# Altium PCB MiniPC.PcbDoc (part 7 of 23) (continued)
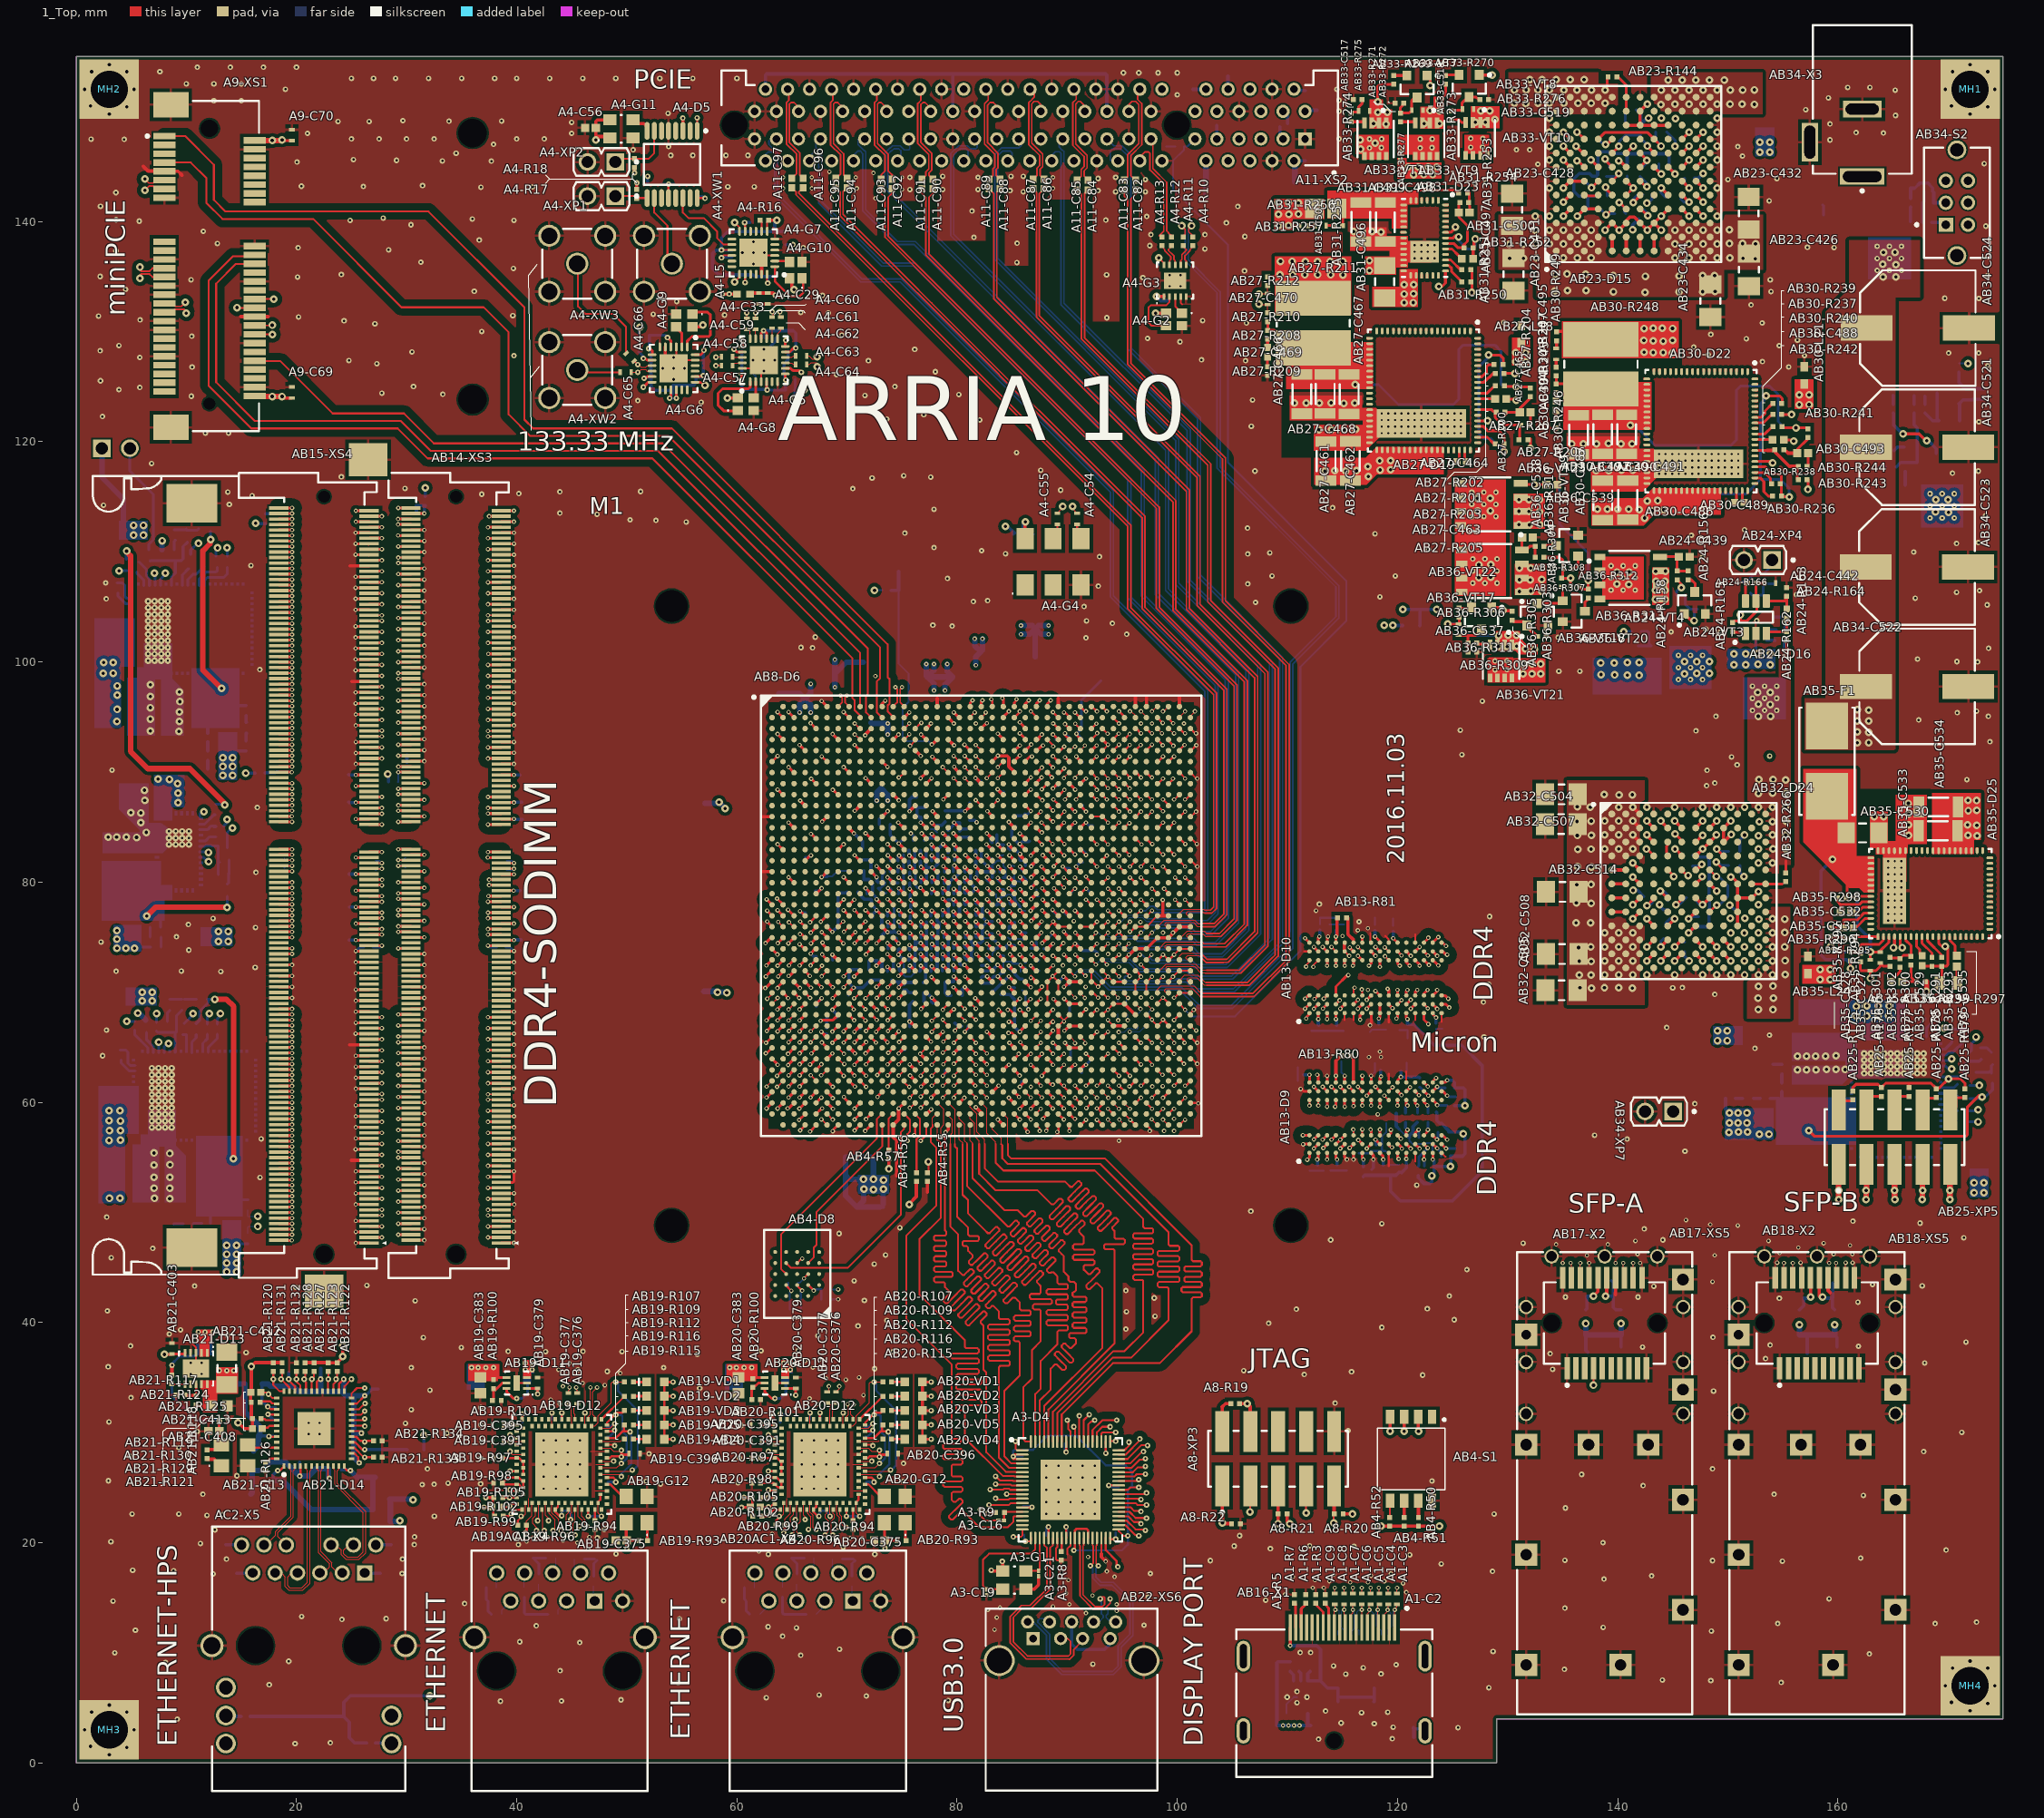
[diagram p0: 1_Top view]
## Free pads (board coordinates) (continued)

## Via types
v1: diameter 0.4, hole 0.2, 1_Top to 16_Bottom, tented both sides, 1658 vias
v2: diameter 0.7, hole 0.3, 1_Top to 16_Bottom, tented both sides, 915 vias
v3: diameter 0.5, hole 0.2, 1_Top to 16_Bottom, tented both sides, 854 vias
v4: diameter 0.6, hole 0.2, 1_Top to 16_Bottom, 278 vias
v5: diameter 0.5, hole 0.2, 1_Top to 16_Bottom, 162 vias
v6: diameter 0.4, hole 0.2, 1_Top to 16_Bottom, 100 vias
v7: diameter 0.4/0/0/0/0/0/0/0/0/0/0/0/0/0/0/0.4 (per signal layer), hole 0.2, 1_Top to 16_Bottom, tented both sides, 18 vias
v8: diameter 0.4/0/0/0/0/0/0/0/0/0/0/0.4/0.4/0.4/0.4/0.4 (per signal layer), hole 0.2, 1_Top to 16_Bottom, tented both sides, 16 vias
v9: diameter 0.5, hole 0.254, 1_Top to 16_Bottom, 15 vias

## Nets (pads, with @x,y where several pads share a name; then routed paths per layer and width w, separated by ;. In a path a pad name is that pad's centre, name@x,y a point inside that pad or via, vN(x,y) a via of type N, cw(c..) or ccw(c..) an arc to the next point about the centre after c; other vN are vias at no path point)
0V9_SENSE+: AB32-D24.D9 AB32-R259.1 | length 2.1
  1_Top w0.254: v2(148.99,82.995) AB32-D24.D9@149.615,82.37
  16_Bottom w0.254: v2(148.99,82.995) 149.19,82.795 AB32-R259.1@150.09,82.795
0V9_SENSE-: AB32-D24.E9 AB32-R258.1 | length 2.3
  1_Top w0.25: v2(148.96,81.815) 148.96,81.755 149.455,81.26 AB32-D24.E9@149.455,81.1
  16_Bottom w0.25: v2@148.96,81.715 v2(148.96,81.815)
  16_Bottom w0.254: v2@148.99,81.895 149.39,81.495 AB32-R258.1@150.09,81.495
0V95: AB1-C109.2 AB1-C119.2 AB1-C131.2 AB1-C143.2 AB1-C155.2 AB1-C166.2 AB1-C177.2 AB8-D6.Y12 AB8-D6.Y13 AB8-D6.Y18 AB8-D6.Y21 AB8-D6.Y22 AB8-D6.Y23 AB29-C482.2 AB29-C483.2 AB29-D21.5 AB29-D21.6 AB29-D21.7 AB29-D21.8 AB29-D21.9 AB29-D21.10 AB29-D21.11 AB29-R232.1 AB29-R233.2 AB29-R234.2 | length 19.5
  1_Top w0.25: v1(73.694,77.439) AB8-D6.Y12@74.194,76.939 ; v1(74.694,77.439) AB8-D6.Y13@75.194,76.939
  1_Top w0.3: v1(79.675,77.325) 80.061,76.939 AB8-D6.Y18@80.194,76.939 ; v1(82.725,77.4) 82.733,77.4 AB8-D6.Y21@83.194,76.939 ; v1(83.685,77.425) 83.708,77.425 AB8-D6.Y22@84.194,76.939 ; v1(84.75,77.35) 85.161,76.939 AB8-D6.Y23@85.194,76.939
  1_Top w0.5: v2(6.4,76.9) 7.2,77.7 v2(13.7,77.7)
  16_Bottom w0.25: 7.6,76.8 7.65,76.75 AB29-R233.2@7.65,75.9 ; v2(13.7,77.7) AB29-R232.1@13.7,78.7
  16_Bottom w0.3: AB1-C109.2@56.875,70.075 AB1-C109.2@57,70.075 ; v2@58.975,70 59,70.025 v2(59.075,69.95) ; AB1-C143.2@73.685,76.925 73.685,77.431 v1(73.694,77.439) ; v1(74.694,77.439) 74.785,77.348 AB1-C177.2@74.785,76.95 ; v1(79.675,77.325) 79.69,77.31 AB1-C131.2@79.69,76.925 ; v1(82.725,77.4) 82.725,77.385 AB1-C166.2@83.175,76.935 ; v1(83.685,77.425) 83.685,77.301 83.996,76.99 AB1-C119.2@84.175,76.99 ; v1(84.75,77.35) 85.225,76.875 AB1-C155.2@85.225,76.835
  16_Bottom w0.5: AB1-C109.2@57,70.075 58.175,70.075 v2(58.25,70) v2@58.975,70
1DL0_N: AB19-D12.A17 AB19-R104.1 AB19AC1-X4.2 | length 12.2
  1_Top w0.1: AB19-D12.A17@42.3,23 42.35,22.95 42.35,21.25 v3(42.5,21.1)
  7_int6_(sign) w0.09: v3(42.5,21.1) 42.27,20.87 42.27,20.169 44.64,17.799 44.64,16.3 44.94,16 46,16 46.1,16.1 46.1,16.95 AB19AC1-X4.2@45.805,17.245
  16_Bottom w0.1: AB19-R104.1@45.25,18.5 45.25,17.8 AB19AC1-X4.2@45.805,17.245
1DL0_P: AB19-D12.A16 AB19-R103.1 AB19AC1-X4.1 | length 12.8
  1_Top w0.1: AB19-D12.A16@41.7,23 41.7,22.436 41.45,22.186 41.45,21.75 41.8,21.4 v3(41.8,21.1)
  7_int6_(sign) w0.09: v3(41.8,21.1) 42.03,20.87 42.03,20.07 44.4,17.7 44.4,16.201 44.841,15.76 46.02,15.76 AB19AC1-X4.1@47.075,14.705
  16_Bottom w0.1: AB19-R103.1@47,16.05 47,14.78 AB19AC1-X4.1@47.075,14.705
1DL1_N: AB19-D12.B16 AB19-R108.1 AB19AC1-X4.4 | length 13
  1_Top w0.1: AB19-D12.B16@43.2,23.6 43.2,22.711 43.55,22.361 43.55,22.356 43.8,22.106 43.8,21.2 43.9,21.2 v3(44,21.1)
  5_int4_(sign) w0.09: AB19AC1-X4.4@41.995,14.705 41.995,14.955 42.9,15.86 43.999,15.86 44.64,16.501 44.64,18.54 43.77,19.41 43.77,20.87 v3(44,21.1)
  16_Bottom w0.1: AB19AC1-X4.4@41.995,14.705 42,14.71 AB19-R108.1@42,16.25
1DL1_P: AB19-D12.A18 AB19-R106.1 AB19AC1-X4.3 | length 11.8
  1_Top w0.1: AB19-D12.A18@42.9,23 42.95,22.95 42.95,22.644 43.5,22.094 43.5,21.2 43.4,21.2 v3(43.3,21.1)
  5_int4_(sign) w0.09: AB19AC1-X4.3@43.3,17.28 AB19AC1-X4.3@43.265,17.245 43.265,16.965 42.8,16.5 42.8,16.3 43,16.1 43.9,16.1 44.4,16.6 44.4,18.441 43.53,19.311 43.53,20.87 v3(43.3,21.1)
  16_Bottom w0.1: AB19AC1-X4.3@43.265,17.245 43.55,17.53 AB19-R106.1@43.55,18.6
1DL2_N: AB19-D12.A22 AB19-R111.1 AB19AC1-X4.6 | length 18.1
  1_Top w0.1: AB19-D12.A22@45.3,23 45.3,21.934 45.11,21.744 45.11,20.917 v3(45.327,20.7)
  12_int11_(sign) w0.09: AB19AC1-X4.6@40.725,17.245 41.655,17.245 42.4,16.5 42.4,16.3 42.1,16 39.8,16 39.5,16.3 39.5,17.961 40.799,19.26 44.588,19.26 45.129,19.801 45.129,20.501 v3(45.327,20.7)
  16_Bottom w0.1: AB19-R111.1@40.7,15.95 40.7,17.22 AB19AC1-X4.6@40.725,17.245
1DL2_P: AB19-D12.A21 AB19-R110.1 AB19AC1-X4.5 | length 19.5
  1_Top w0.1: v3(44.69,20.7) 44.89,20.9 44.89,21.544 44.5,21.934 44.5,22.521 44.7,22.721 AB19-D12.A21@44.7,23
  12_int11_(sign) w0.09: AB19AC1-X4.5@44.535,14.705 43.11,16.13 42.57,16.13 42.199,15.76 39.701,15.76 39.26,16.201 39.26,18.06 40.7,19.5 44.489,19.5 44.889,19.9 44.889,20.502 v3(44.69,20.7)
  16_Bottom w0.1: AB19-R110.1@43.75,13.5 43.75,13.92 AB19AC1-X4.5@44.535,14.705
1DL3_N: AB19-D12.A23 AB19-R114.1 AB19AC1-X4.8 | length 21.4
  1_Top w0.1: AB19-D12.A23@45.9,23 45.9,22.4 46.22,22.08 46.22,21.66 v3(46.4,21.48)
  10_int9_(sign) w0.09: AB19AC1-X4.8@38.185,17.245 38.4,17.03 38.4,15.9 38,15.5 37,15.5 36.5,16 36.5,18.5 36.96,18.96 45.499,18.96 46.17,19.631 46.17,21.25 v3(46.4,21.48)
  16_Bottom w0.1: AB19-R114.1@38.15,15.9 38.15,17.21 AB19AC1-X4.8@38.185,17.245
1DL3_P: AB19-D12.B20 AB19-R113.1 AB19AC1-X4.7 | length 22.9
  1_Top w0.1: AB19-D12.B20@45.6,23.6 45.6,22.389 46,21.989 46,21.8 v3(45.7,21.5)
  10_int9_(sign) w0.09: AB19AC1-X4.7@39.455,14.705 39.455,15.045 38.77,15.73 38.57,15.73 38.099,15.26 36.901,15.26 36.26,15.901 36.26,18.599 36.861,19.2 45.4,19.2 45.93,19.73 45.93,21.27 v3(45.7,21.5)
  16_Bottom w0.1: AB19-R113.1@38.65,13.5 38.65,13.9 AB19AC1-X4.7@39.455,14.705
1ENET_DVDD: AB19-C381.2 AB19-C383.2 AB19-C385.2 AB19-C388.2 AB19-C391.2 AB19-C395.2 AB19-C397.2 AB19-D11.4 AB19-D12.A1 AB19-D12.A8 AB19-D12.A31 AB19-D12.A36 AB19-D12.A38 AB19-D12.A46 AB19-D12.B3 AB19-D12.B5 AB19-D12.B29 AB19-R100.2 | length 12.1
  1_Top w0.1: v3(39.4,28.3) 39.3,28.3 39.6,28 AB19-D12.B5@40.6,28 ; v3(39.4,29.2) AB19-D12.B3@40.6,29.2 ; AB19-D12.B29@47.6,27.4 v3(48.8,27.4)
  1_Top w0.2: AB19-C391.2@38.8,29.2 v3(39.4,29.2) ; v3(39.4,26.5) 39.3,26.5 AB19-D12.A8@40,26.5 ; v3(39.4,30.7) 39.3,30.7 AB19-D12.A1@40,30.7 ; AB19-D12.A46@44.1,31.2 v3(44.1,31.8) ; AB19-D12.A31@48.2,25.9 48.8,25.9 49,25.7 v3(49,25.5) ; AB19-D12.A36@48.2,28.9 48.7,28.9 48.8,28.8 v3(48.9,28.8) ; AB19-D12.A38@48.2,30.1 48.8,30.1 v3(48.9,30.2)
  1_Top w0.25: AB19-C395.2@38.8,30.7 v3@39.3,30.7
  16_Bottom w0.25: AB19-C385.2@44.1,31.1 v3(44.1,31.8) ; AB19-C388.2@48.2,29.6 48.4,29.6 v3@48.9,30.1 ; AB19-C397.2@48.3,25.5 v3(49,25.5)
  other v3: 35.9,35.9 36.5,35.9 37.2,35.9 37.9,35.9
1ENET_INT: AB19-D12.A12 AB19-R105.1 AB20-D12.A12 AB20-R105.1 | length 26.7
  1_Top w0.2: AB19-R105.1@38.725,24.1 v3(39.35,24.1) AB19-D12.A12@40,24.1 ; AB20-R105.1@62.175,24.1 v3(62.85,24.1) AB20-D12.A12@63.45,24.1
  10_int9_(sign) w0.2: v3(39.35,24.1) 59,24.1 59.6,24.7 62.125,24.7 62.85,23.975 v3(62.85,24.1)
1ENET_MDC: AB19-D12.A14 AB19-R99.1 AB20-D12.A14 AB20-R99.1 | length 28.6
  1_Top w0.2: AB19-R99.1@38.8,22.4 39.3,22.4 v3(39.5,22.6) 39.9,23 AB19-D12.A14@40.5,23 ; AB20-R99.1@62.25,22.4 62.85,22.4 v3(62.95,22.5) 62.95,22.6 63.35,23 AB20-D12.A14@63.95,23
  10_int9_(sign) w0.2: v3(39.5,22.6) 39.6,22.6 40.3,23.3 57.241,23.3 58.741,21.8 62.15,21.8 62.85,22.5 v3(62.95,22.5)
1ENET_MDIO: AB19-D12.A13 AB19-R102.1 AB20-D12.A13 AB20-R102.1 | length 26.9
  1_Top w0.17: AB19-R102.1@38.9,23.225 39.275,23.225 v5(39.362,23.312) 39.55,23.5 AB19-D12.A13@40,23.5 ; AB20-R102.1@62.375,23.225 62.85,23.225 v5(62.875,23.25) ; v5@62.875,23.225 63.025,23.225 63.3,23.5 AB20-D12.A13@63.45,23.5
  10_int9_(sign) w0.17: v5(39.362,23.312) 39.685,23.635 58.19,23.635 59.375,22.45 61.35,22.45 62.15,23.25 v5(62.875,23.25)
1ENET_RESET: AB19-D12.B13 AB19-R96.1 AB20-D12.B13 AB20-R96.1 | length 32.5
  1_Top w0.1: AB19-R96.1@40.9,21.6 40.9,21.948 41.4,22.448 AB19-D12.B13@41.4,23.6 ; AB20-R96.1@64.35,21.6 64.35,22.15 64.85,22.65 AB20-D12.B13@64.85,23.6
  1_Top w0.25: v3(40.8,20.9) 40.9,21 AB19-R96.1@40.9,21.6 ; v3(64.25,20.9) 64.35,21 AB20-R96.1@64.35,21.6
  10_int9_(sign) w0.2: v3(40.8,20.9) 40.8,22.1 41.6,22.9 57.146,22.9 60.046,20 63.35,20 v3(64.25,20.9)
1ENET_RX_N: AB8-D6.AG32 AB19-C393.1 | length 1
  1_Top w0.1: AB8-D6.AG32@94.194,69.939 94.605,69.529 v6(94.605,69.503)
  16_Bottom w0.1: v6(94.605,69.503) 94.605,69.322 94.633,69.293 94.625,69.285 AB19-C393.1@94.625,69.075
1ENET_RX_P: AB8-D6.AG33 AB19-C390.1 | length 1.1
  1_Top w0.1: AB8-D6.AG33@95.194,69.939 95.194,69.806 v6(95.525,69.475)
  16_Bottom w0.1: AB19-C390.1@95.4,69.05 95.4,69.35 v6(95.525,69.475)
1ENET_RXC_N: AB19-C393.2 AB19-D12.A41 | length 79.8
  1_Top w0.1: AB19-D12.A41@47.1,31.2 47.1,31.45 46.91,31.64 46.91,33.71 v1(47.3,34.1)
  12_int11_(sign) w0.09: v1(47.3,34.1) 47.1,34.3 47.1,35.961 50.799,39.66 68.56,39.66 78.44,49.54 78.44,58.141 79.3,59.001 79.3,61.4 79.355,61.455 79.355,67.155 80.312,68.112 80.312,68.988 81.185,69.86 86.283,69.86 86.458,69.685 86.497,69.685 86.527,69.715 86.813,69.715 86.843,69.685 86.942,69.685 87.117,69.86 91.74,69.86 92.215,69.385 92.215,69.258 92.613,68.86 94.315,68.86 94.975,68.2 94.975,67.75 94.675,67.45 v6(94.625,67.45)
  16_Bottom w0.1: v6(94.625,67.45) AB19-C393.2@94.625,68.075
1ENET_RXC_P: AB19-C390.2 AB19-D12.A42 | length 80.3
  1_Top w0.1: AB19-D12.A42@46.5,31.2 46.5,31.45 46.69,31.64 46.69,33.801 46.7,33.811 v1(46.7,34.1)
  12_int11_(sign) w0.09: v1(46.7,34.1) 46.86,34.26 46.86,36.06 50.7,39.9 68.461,39.9 78.2,49.639 78.2,58.24 79.06,59.1 79.06,61.53 79.115,61.585 79.115,67.254 80.072,68.212 80.072,69.087 81.086,70.1 86.382,70.1 86.527,69.955 86.873,69.955 87.018,70.1 91.839,70.1 91.864,70.076 92.455,69.484 92.455,69.357 92.712,69.1 94.414,69.1 95.215,68.299 95.215,67.743 v6(95.505,67.453)
  16_Bottom w0.1: AB19-C390.2@95.4,68.05 95.505,67.945 v6(95.505,67.453) v6@95.505,67.445
1ENET_TX_N: AB8-D6.AK38 AB19-C376.1 | length 90.6
  1_Top w0.1: v1(45.4,34.1) 45.4,33.91 45.5,33.81 AB19-C376.1@45.5,33.6 ; AB8-D6.AK38@100.194,66.939 v1(100.633,66.5)
  12_int11_(sign) w0.09: v1(45.4,34.1) 45.14,34.36 45.14,34.899 44.799,35.24 44.101,35.24 43.56,34.699 43.56,33.701 44.301,32.96 49.099,32.96 50.5,34.361 50.5,36.46 52,37.96 68.56,37.96 82.84,52.24 82.84,58.641 83.4,59.201 83.4,67 84.215,67.815 85.457,67.815 85.942,67.815 92.26,67.815 93.29,66.785 95.899,66.785 96.14,67.026 96.14,68.74 96.3,68.9 99.247,68.9 101.047,67.1 101.047,66.913 v1(100.633,66.5)
1ENET_TX_P: AB8-D6.AK39 AB19-C377.1 | length 90
  1_Top w0.1: AB19-C377.1@44.7,33.6 44.7,33.81 44.8,33.91 v1(44.8,34.1) ; AB8-D6.AK39@101.194,66.939 101.7,66.433 101.71,66.443 v1(101.71,66.52)
  12_int11_(sign) w0.09: v1(44.8,34.1) 44.9,34.2 44.9,34.8 44.7,35 44.2,35 43.8,34.6 43.8,33.8 44.4,33.2 49,33.2 50.26,34.46 50.26,36.559 51.901,38.2 68.461,38.2 82.6,52.339 82.6,58.74 83.16,59.3 83.16,67.099 84.116,68.055 85.557,68.055 85.843,68.055 92.359,68.055 93.389,67.025 95.8,67.025 95.9,67.125 95.9,68.839 96.201,69.14 99.346,69.14 101.287,67.199 101.287,66.813 101.58,66.52 v1(101.71,66.52)
1ENET_TXC_N: AB19-C376.2 AB19-D12.A44 | length 1.6
  1_Top w0.1: AB19-D12.A44@45.3,31.2 45.3,31.6 45.2,31.7 45.2,32.3 AB19-C376.2@45.5,32.6
1ENET_TXC_P: AB19-C377.2 AB19-D12.B38 | length 2.1
  1_Top w0.1: AB19-C377.2@44.7,32.6 44.98,32.32 44.98,31.52 45,31.5 AB19-D12.B38@45,30.6
1SFP_RX_N: AB8-D6.AU32 AB17-X2.12 | length 65.9
  1_Top w0.1: AB8-D6.AU32@94.194,59.939 94.194,59.906 v8(94.7,59.4) ; AB17-X2.12@141.3,44.15 AB17-X2.12@141.4,44.05 141.4,45.35 v8(141.4,45.4)
  12_int11_(sign) w0.09: v8(94.7,59.4) ccw(c94.7,59.593) 94.837,59.457 95.08,59.7 cw(c95.32,59.7) 95.15,59.87 95.34,60.06 cw(c95.51,59.89) 95.51,60.13 95.883,60.13 cw(c95.883,59.583) 96.27,59.97 cw(c95.134,58.834) 96.74,58.834 96.74,50.028 ccw(c97.628,50.028) 97,49.4 101.556,44.844 ccw(c103.352,46.64) 103.352,44.1 120.434,44.1 ccw(c120.434,45.466) 121.4,44.5 125.686,48.786 cw(c127.652,46.82) 127.652,49.6 137.088,49.6 cw(c137.088,46.82) 139.054,48.786 140.94,46.899 cw(c140.626,46.586) 141.07,46.586 141.07,45.5 ccw(c141.311,45.741) 141.311,45.4 v8(141.4,45.4)
1SFP_RX_P: AB8-D6.AU33 AB17-X2.13 | length 65.5
  1_Top w0.1: AB8-D6.AU33@95.194,59.939 95.194,59.906 v8(95.7,59.4) ; AB17-X2.13@140.6,44.05 140.5,44.15 v8(140.5,45.4) 140.625,45.4 v8@140.65,45.425
  12_int11_(sign) w0.09: v8(95.7,59.4) 95.6,59.3 95.375,59.3 95.32,59.355 95.32,59.7 95.51,59.89 95.883,59.89 cw(c95.883,59.583) 96.1,59.8 cw(c95.134,58.834) 96.5,58.834 96.5,50.028 ccw(c97.628,50.028) 96.83,49.23 101.386,44.674 ccw(c103.352,46.64) 103.352,43.86 120.534,43.86 ccw(c120.534,45.226) 121.499,44.26 125.855,48.616 cw(c127.652,46.82) 127.652,49.36 137.088,49.36 cw(c137.088,46.82) 138.884,48.616 140.7,46.8 cw(c140.386,46.486) 140.83,46.486 140.83,45.5 140.73,45.4 v8(140.5,45.4)
1SFP_TX_N: AB8-D6.AW32 AB17-X2.19 | length 60.1
  1_Top w0.1: v8(93.7,58.433) AB8-D6.AW32@94.194,57.939 AB8-D6.AW32@94.194,58.006 ; v8(135.725,45.4) cw(c135.544,45.219) 135.8,45.219 AB17-X2.19@135.8,44.05
  12_int11_(sign) w0.09: v8(93.7,58.433) cw(c93.7,58.369) 93.745,58.415 94.06,58.1 94.06,50.752 ccw(c96.84,50.752) 94.874,48.786 100.186,43.474 ccw(c102.152,45.44) 102.152,42.66 120.808,42.66 ccw(c120.808,45.44) 122.774,43.474 126.656,47.356 cw(c128.452,45.56) 128.452,48.1 134.493,48.1 cw(c134.493,46.393) 135.7,47.6 135.8,47.5 cw(c135.124,46.824) 136.08,46.824 136.08,45.774 cw(c135.551,45.774) 135.925,45.4 v8(135.725,45.4)
1SFP_TX_P: AB8-D6.AW33 AB17-X2.18 | length 60
  1_Top w0.1: v8(94.725,58.425) 94.708,58.425 94.717,58.417 AB8-D6.AW33@95.194,57.939 ; AB17-X2.18@136.6,44.05 136.6,45.1 v8(136.6,45.4)
  12_int11_(sign) w0.09: v8(94.725,58.425) ccw(c94.725,58.184) 94.554,58.354 94.3,58.1 94.3,50.752 ccw(c96.84,50.752) 95.044,48.956 100.356,43.644 ccw(c102.152,45.44) 102.152,42.9 120.808,42.9 ccw(c120.808,45.44) 122.605,43.644 126.486,47.526 cw(c128.452,45.56) 128.452,48.34 134.493,48.34 cw(c134.493,46.393) 135.87,47.77 136.04,47.599 cw(c135.364,46.923) 136.32,46.923 136.32,45.774 ccw(c136.849,45.774) 136.475,45.4 v8(136.6,45.4)
1SFP_VCCR: AB17-C372.2 AB17-C374.2 AB17-L9.2 AB17-X2.15 | length 5.7
  1_Top w0.3: v2(138.9,42.4) 139,42.5 AB17-X2.15@139,44.05
  16_Bottom w0.3: v2(138.9,42.4) AB17-C372.2@139.5,42.4 ; AB17-C374.2@139.425,43.8 139.6,43.625 139.6,42.5 AB17-C372.2@139.5,42.4 ; AB17-L9.2@140.3,41.145 139.815,41.145 139.6,41.36 AB17-C372.2@139.6,42.4 AB17-C372.2@139.5,42.4
1SFP_VCCT: AB17-C373.2 AB17-L10.2 AB17-X2.16 | length 3.7
  1_Top w0.3: v2(137.8,42.4) 138.2,42.8 AB17-X2.16@138.2,44.05
  16_Bottom w0.3: AB17-L10.2@137.1,41.145 137.2,41.245 AB17-C373.2@137.2,42.4 v2(137.8,42.4)
1V0: AB2-C230.1 AB2-C232.2 AB2-C233.2 AB2-C238.2 AB2-C239.2 AB2-C244.2 AB2-C245.2 AB2-C250.2 AB2-C251.2 AB2-C255.2 AB2-C256.2 AB2-C260.2 AB2-C261.2 AB2-C265.2 AB2-C266.2 AB2-C270.2 AB2-C271.2 AB2-C275.2 AB2-C276.2 AB2-C280.2 AB2-C281.2 AB2-C285.2 AB2-C286.2 AB2-C290.2 AB2-C291.2 AB2-C295.2 AB2-C296.2 AB2-C300.2 AB2-C301.2 AB2-C304.2 AB2-C305.2 AB2-C308.2 AB2-C309.2 AB8-D6.AB28 AB8-D6.AB29 AB8-D6.AD28 AB8-D6.AD29 AB8-D6.AF28 AB8-D6.AF29 AB8-D6.AH28 AB8-D6.AH29 AB8-D6.AK28 AB8-D6.AK29 AB8-D6.AM28 AB8-D6.AM29 AB8-D6.AP28 AB8-D6.AP29 AB8-D6.D28 AB8-D6.D29 AB8-D6.F28 AB8-D6.F29 AB8-D6.H28 AB8-D6.H29 AB8-D6.K28 AB8-D6.K29 AB8-D6.M28 AB8-D6.M29 AB8-D6.P28 AB8-D6.P29 AB8-D6.T28 AB8-D6.T29 AB8-D6.V28 AB8-D6.V29 AB8-D6.Y28 AB8-D6.Y29 AB27-R211.1 AB27-R212.2 | length 55.6
  1_Top w0.2: v1(89.6,81.4) 90.061,80.939 AB8-D6.T28@90.194,80.939 ; AB8-D6.V28@90.194,78.939 90.655,79.4 v1(90.7,79.4) ; AB8-D6.P28@90.194,82.939 90.261,82.939 v1(90.7,82.5) ; v1(90.8,81.4) 90.8,81.333 AB8-D6.T29@91.194,80.939 ; AB8-D6.V29@91.194,78.939 91.655,79.4 v1(91.727,79.4) ; AB8-D6.P29@91.194,82.939 91.7,82.433 v1(91.7,82.467)
  1_Top w0.254: v1(89.6,77.4) 89.733,77.4 AB8-D6.Y28@90.194,76.939 ; v1(89.667,71.4) 89.733,71.4 AB8-D6.AF28@90.194,70.939 ; v1(89.7,70.475) 89.7,70.445 AB8-D6.AF28@90.194,70.939 ; v1(89.7,73.4) 90.161,72.939 AB8-D6.AD28@90.194,72.939 ; v1(89.7,75.5) 89.7,75.433 AB8-D6.AB28@90.194,74.939 ; v1(89.725,69.4) 89.733,69.4 AB8-D6.AH28@90.194,68.939 AB8-D6.AH29@91.194,68.939 ; v1(89.74,66.485) AB8-D6.AK28@90.194,66.939 AB8-D6.AK29@91.194,66.939 ; v1(89.8,65.4) 89.8,65.333 AB8-D6.AM28@90.194,64.939 AB8-D6.AM29@91.194,64.939 ; v1(89.8,91.333) AB8-D6.F28@90.194,90.939 ; v1(89.8,93.5) 89.8,93.333 AB8-D6.D28@90.194,92.939 ; AB8-D6.AP28@90.194,62.939 90.161,62.939 90.621,63.4 v1(90.7,63.4) ; AB8-D6.M28@90.194,84.939 90.655,85.4 v1(90.7,85.4) ; AB8-D6.K28@90.194,86.939 90.194,86.906 v1(90.7,86.4) ; AB8-D6.H28@90.194,88.939 90.725,88.408 v1(90.725,88.4) ; v1(90.7,77.4) 90.733,77.4 AB8-D6.Y29@91.194,76.939 ; v1(90.734,73.4) AB8-D6.AD29@91.194,72.939 ; v1(90.734,75.4) AB8-D6.AB29@91.194,74.939 ; v1(90.83,91.4) 90.83,91.37 91.194,91.006 AB8-D6.F29@91.194,90.939 ; v1(90.837,93.463) 90.837,93.377 90.83,93.37 91.194,93.006 AB8-D6.D29@91.194,92.939 ; AB8-D6.AP29@91.194,62.939 91.194,63.006 91.588,63.4 v1(91.7,63.4) ; AB8-D6.AF29@91.194,70.939 AB8-D6.AF28@90.194,70.939 ; AB8-D6.M29@91.194,84.939 91.655,85.4 v1(91.7,85.4) ; AB8-D6.K29@91.194,86.939 91.7,86.433 v1(91.7,86.4) ; AB8-D6.H29@91.194,88.939 91.655,89.4 v1(91.7,89.4) ; AB27-R212.2@108.21,135.01 109.18,135.01 v2(109.32,135.15)
  16_Bottom w0.254: AB2-C305.2@89.1,70.89 89.157,70.89 v1(89.667,71.4) ; v1(89.6,77.4) 89.96,77.04 AB2-C244.2@90.2,77.04 ; v1(89.6,81.4) 89.76,81.24 AB2-C260.2@90.2,81.24 ; v1(89.7,70.475) 89.885,70.66 AB2-C265.2@90.2,70.66 ; v1(89.7,73.4) 90.2,72.9 AB2-C285.2@90.2,72.76 ; v1(89.7,75.5) 90.2,75 AB2-C304.2@90.2,74.86 ; v1(89.725,69.4) 90.225,68.9 AB2-C308.2@90.24,68.9 90.21,68.87 AB2-C251.2@90.21,68 ; v1(89.74,66.485) 89.785,66.485 AB2-C290.2@90.24,66.939 ; v1(89.8,65.4) 90.31,64.89 AB2-C291.2@90.31,64 ; v1(89.8,91.333) 90.2,90.933 AB2-C275.2@90.2,90.76 ; v1(89.8,93.5) 90.2,93.1 AB2-C295.2@90.2,92.76 ; AB2-C238.2@90.06,78.9 90.2,78.9 v1(90.7,79.4) ; AB2-C280.2@90.06,82.9 90.3,82.9 v1(90.7,82.5) ; AB2-C232.2@90.06,86.925 90.175,86.925 v1(90.7,86.4) ; AB2-C250.2@90.2,62.76 90.2,62.9 v1(90.7,63.4) ; AB2-C300.2@90.2,84.76 90.2,84.9 v1(90.7,85.4) ; v1(90.7,77.4) 91.2,76.9 AB2-C245.2@91.2,76.89 ; v1(90.734,73.4) 91.123,73.01 AB2-C286.2@91.4,73.01 ; v1(90.734,75.4) 91.233,74.9 AB2-C266.2@91.31,74.9 ; v1(90.8,81.4) 91.2,81.8 AB2-C281.2@91.41,81.8 ; v1(90.83,91.4) 91.33,90.9 AB2-C276.2@91.41,90.9 ; AB2-C261.2@91.2,83.11 91.7,82.61 v1(91.7,82.467) ; AB2-C255.2@91.2,88.76 91.2,88.9 v1(91.7,89.4) ; AB2-C309.2@91.31,62.699 91.31,63.01 v1(91.7,63.4) 92.2,63.9 AB2-C271.2@92.31,63.9 ; AB2-C296.2@91.36,93 90.897,93.463 v1(90.837,93.463) 91.31,93.936 AB2-C233.2@91.31,94 91.273,94.037 91.273,96.508 AB2-C230.1@93.045,98.28 ; AB2-C256.2@91.41,87 91.41,86.69 v1(91.7,86.4) ; v1(91.7,85.4) 91.99,85.11 AB2-C239.2@92.3,85.11 ; v1(91.727,79.4) 92.117,79.01 AB2-C301.2@92.3,79.01
  other v2: 115.03,135.14 110.46,135.15 111.59,135.15 112.75,135.15 113.92,135.15 109.37,136.38 110.43,136.38 111.64,136.37 112.74,136.37 113.87,136.37 115.02,136.38
1V2_AVDDL: AB21-C414.2 AB21-C416.2 AB21-C418.2 AB21-D14.4 AB21-D14.9 AB21-L14.2 | length 14.7
  1_Top w0.2: v3(20.3,26.05) 20.362,25.988 AB21-D14.4@20.362,26.975 ; AB21-D14.9@22.862,26.975 22.862,25.988 v3(23,25.85)
  16_Bottom w0.3: v3@20.297,26.025 AB21-C414.2@20.297,27.325
  16_Bottom w0.5: AB21-C418.2@15.872,24.425 15.997,24.55 AB21-L14.2@15.997,26.55 16.822,26.55 17.597,27.325 18.997,27.325 20.297,26.025 20.321,26.05 21.121,26.05 21.772,26.7 AB21-C416.2@22.897,26.7 22.897,25.953 v3(23,25.85)
1V2_AVDLL_PLL: AB21-C412.2 AB21-C413.2 AB21-C420.2 AB21-C421.2 AB21-C422.2 AB21-D13.9 AB21-D13.10 AB21-D14.44 AB21-L13.1 AB21-L14.1 AB21-R125.2 | length 12.1
  1_Top w0.2: v3(13.677,35.625) v3@13.687,35.635 ; v3(17.5,29.65) 17.5,29.55 17.576,29.625 AB21-D14.44@18.212,29.625
  1_Top w0.3: AB21-R125.2@10.897,32.425 AB21-C413.2@12.272,32.425
  16_Bottom w0.3: AB21-C422.2@13.597,34.425 AB21-C422.2@13.722,34.3 ; AB21-C421.2@16.562,29.7 16.697,29.7 17.422,29.7 17.472,29.65 v3(17.5,29.65) AB21-C420.2@18.2,29.65
  16_Bottom w0.5: AB21-C422.2@14.197,34.425 AB21-L13.1@15.322,34.425 15.322,31.9 16.697,30.525 AB21-C421.2@16.697,29.7 ; AB21-L14.1@16.097,28.325 16.562,28.79 AB21-C421.2@16.562,29.7
  other v3: 14.297,35.625 12.979,35.636
1V2_DVDDL: AB21-C415.2 AB21-C417.2 AB21-C419.2 AB21-D14.14 AB21-D14.18 AB21-D14.23 AB21-D14.26 AB21-D14.30 AB21-D14.39 AB21-L13.2 | length 31.9
  1_Top w0.17: AB21-D14.18@25.012,30.125 25.724,30.125 v3(25.9,29.95)
  1_Top w0.2: v3(17.4,32.35) 17.423,32.35 17.647,32.125 AB21-D14.39@18.212,32.125 ; AB21-D14.30@21.862,33.775 21.862,34.611 22.1,34.85 v3(22.2,34.85) ; AB21-D14.26@23.862,33.775 23.862,34.404 24.3,34.843 v3(24.3,34.85) ; AB21-D14.14@25.012,28.125 25.245,28.125 25.6,27.77 25.6,27.35 v3(25.7,27.25) ; AB21-D14.23@25.012,32.625 25.476,32.625 v3(26.2,33.35)
  16_Bottom w0.3: AB21-L13.2@16.872,34.425 16.872,32.878 v3(17.4,32.35) 17.5,32.25 AB21-C415.2@18.1,32.25 ; v3@22.2,34.829 v3(22.2,34.85) AB21-C417.2@22.2,35.825 ; v3@26.197,33.425 26.271,33.5 26.428,33.5 26.75,33.822 26.75,33.95 AB21-C419.2@27.425,33.95
  16_Bottom w0.5: AB21-L13.2@16.872,34.425 17.405,34.425 17.631,34.2 19.722,34.2 20.197,33.725 22.197,33.725 ; v3@22.2,34.829 22.197,34.825 22.197,33.725 ; v3(24.3,34.85) 24.297,34.846 24.297,33.625 ; v3(25.7,27.25) 25.197,27.753 25.197,29.947 ; v3(25.9,29.95) 25.897,29.947 25.197,29.947 ; v3(26.2,33.35) 25.197,33.35 ; 22.197,33.725 24.197,33.725 24.297,33.625 ; 24.297,33.625 24.297,33.525 24.472,33.35 25.197,33.35 ; 25.197,29.947 25.197,33.35
1V8_DVDDH: AB21-C405.2 AB21-C406.2 AB21-C407.1 AB21-D14.16 AB21-D14.34 AB21-D14.40 AB21-L11.2 | length 9.2
  1_Top w0.2: v3(17.408,31.658) 17.496,31.658 17.528,31.625 AB21-D14.40@18.212,31.625 ; v3(19.3,34.85) 19.3,34.75 19.862,34.188 AB21-D14.34@19.862,33.775 ; AB21-D14.16@25.012,29.125 25.324,29.125 26,28.45 v3(26.2,28.45)
  16_Bottom w0.3: v3(17.408,31.658) 17.916,31.15 AB21-C406.2@18.375,31.15 ; v3@19.297,34.825 19.3,34.829 v3(19.3,34.85) AB21-C407.1@19.3,35.45 ; v3(26.2,28.45) 26.225,28.475 AB21-C405.2@28.1,28.475 30,28.475 AB21-L11.2@30.025,28.45
2DL0_N: AB20-D12.A17 AB20-R104.1 AB20AC1-X4.2 | length 13
  1_Top w0.1: v3@65.7,20.8 v3(65.7,20.7) 65.42,20.98 65.42,21.584 65.77,21.933 65.77,22.98 AB20-D12.A17@65.75,23
  7_int6_(sign) w0.09: v3(65.7,20.7) 65.47,20.47 65.47,20 66.87,18.6 67.599,18.6 68.04,18.159 68.04,16.6 68.64,16 69.5,16 69.6,16.1 69.6,16.9 AB20AC1-X4.2@69.255,17.245
  16_Bottom w0.1: AB20-R104.1@68.7,18.5 68.7,17.8 AB20AC1-X4.2@69.255,17.245
2DL0_P: AB20-D12.A16 AB20-R103.1 AB20AC1-X4.1 | length 13.4
  1_Top w0.1: v3@65,20.8 v3(65,20.7) 65.2,20.9 65.2,21.564 64.85,21.914 64.85,22.286 65.15,22.586 AB20-D12.A16@65.15,23
  7_int6_(sign) w0.09: v3(65,20.7) 65.23,20.47 65.23,19.901 66.771,18.36 67.5,18.36 67.8,18.06 67.8,16.501 68.541,15.76 69.54,15.76 70.525,14.775 AB20AC1-X4.1@70.525,14.705
  16_Bottom w0.1: AB20-R103.1@70.45,16.05 70.45,14.78 AB20AC1-X4.1@70.525,14.705
2DL1_N: AB20-D12.B16 AB20-R108.1 AB20AC1-X4.4 | length 13
  1_Top w0.1: AB20-D12.B16@66.65,23.6 66.65,23.35 66.65,22.738 66.738,22.65 66.748,22.65 66.92,22.478 66.92,21.38 67.1,21.2 v3(67.2,21.2)
  5_int4_(sign) w0.09: AB20AC1-X4.4@65.445,14.705 65.445,14.905 66.3,15.76 67.299,15.76 68.14,16.601 68.14,18.16 66.97,19.33 66.97,20.97 v3(67.2,21.2)
  16_Bottom w0.1: AB20AC1-X4.4@65.445,14.705 65.45,14.71 AB20-R108.1@65.45,16.25
2DL1_P: AB20-D12.A18 AB20-R106.1 AB20AC1-X4.3 | length 11.8
  1_Top w0.1: AB20-D12.A18@66.35,23 66.43,22.92 66.43,22.647 66.647,22.43 66.656,22.43 66.7,22.386 66.7,21.3 66.6,21.2 v3(66.5,21.2)
  5_int4_(sign) w0.09: v3(66.5,21.2) 66.73,20.97 66.73,19.231 67.9,18.061 67.9,16.7 67.2,16 66.5,16 66.4,16.1 66.4,16.7 66.715,17.015 AB20AC1-X4.3@66.715,17.245
  16_Bottom w0.1: AB20AC1-X4.3@66.715,17.245 67,17.53 AB20-R106.1@67,18.6
2DL2_N: AB20-D12.A22 AB20-R111.1 AB20AC1-X4.6 | length 18.1
  1_Top w0.1: v3(68.7,20.7) 68.56,20.84 68.56,21.944 68.85,22.234 68.85,22.566 68.75,22.666 AB20-D12.A22@68.75,23
  12_int11_(sign) w0.09: AB20AC1-X4.6@64.175,17.245 64.955,17.245 65.9,16.3 65.9,16.1 65.8,16 63.5,16 63,16.5 63,18 64.16,19.16 67.929,19.16 68.47,19.701 68.47,20.47 v3(68.7,20.7)
  16_Bottom w0.1: AB20-R111.1@64.15,15.95 64.15,17.22 AB20AC1-X4.6@64.175,17.245
2DL2_P: AB20-D12.A21 AB20-R110.1 AB20AC1-X4.5 | length 18.9
  1_Top w0.1: v3(68,20.7) 68.34,21.04 68.34,21.944 68.05,22.234 68.05,22.566 68.15,22.666 AB20-D12.A21@68.15,23
  12_int11_(sign) w0.09: AB20AC1-X4.5@67.985,14.705 66.96,15.73 63.43,15.73 62.76,16.401 62.76,18.099 64.061,19.4 67.83,19.4 68.23,19.8 68.23,20.47 v3(68,20.7)
  16_Bottom w0.1: AB20-R110.1@67.2,13.5 67.985,14.285 AB20AC1-X4.5@67.985,14.705
2DL3_N: AB20-D12.A23 AB20-R114.1 AB20AC1-X4.8 | length 22.6
  1_Top w0.1: AB20AC1-X4.8@61.635,17.245 AB20AC1-X4.8@62,16.88 ; AB20-D12.A23@69.35,23 69.35,22.55 69.52,22.38 69.52,21.68 v3@69.8,21.4
  10_int9_(sign) w0.09: AB20AC1-X4.8@61.635,17.245 61.635,15.874 61.06,15.299 61.06,13.501 61.601,12.96 63.299,12.96 64.3,13.961 64.3,15.2 65.345,16.245 65.345,18.205 65.7,18.56 67.979,18.56 69.62,20.201 69.62,21.191 69.8,21.371 v3@69.8,21.4
  16_Bottom w0.1: AB20-R114.1@61.6,15.9 61.6,17.21 AB20AC1-X4.8@61.635,17.245
  other v3: 69.9,21.4
2DL3_P: AB20-D12.B20 AB20-R113.1 AB20AC1-X4.7 | length 22.5
  1_Top w0.1: AB20AC1-X4.7@62.905,14.705 AB20AC1-X4.7@62.905,15.295 ; AB20-D12.B20@69.05,23.6 69.05,23.262 69.05,22.719 69.1,22.669 69.1,22.489 69.3,22.289 69.3,21.5 v3(69.2,21.4)
  10_int9_(sign) w0.09: AB20AC1-X4.7@62.905,14.705 61.91,15.7 61.8,15.7 61.3,15.2 61.3,13.6 61.7,13.2 63.2,13.2 64.06,14.06 64.06,15.299 65.105,16.344 65.105,18.304 65.601,18.8 67.88,18.8 69.38,20.3 69.38,21.22 v3(69.2,21.4)
  16_Bottom w0.1: AB20-R113.1@62.1,13.5 62.905,14.305 AB20AC1-X4.7@62.905,14.705
2ENET_DVDD: AB20-C381.2 AB20-C383.2 AB20-C385.2 AB20-C388.2 AB20-C391.2 AB20-C395.2 AB20-C397.2 AB20-D11.4 AB20-D12.A1 AB20-D12.A8 AB20-D12.A31 AB20-D12.A36 AB20-D12.A38 AB20-D12.A46 AB20-D12.B3 AB20-D12.B5 AB20-D12.B29 AB20-R100.2 | length 12.1
  1_Top w0.1: v3(62.85,28.3) 62.75,28.3 63.05,28 AB20-D12.B5@64.05,28 ; v3(62.85,29.2) AB20-D12.B3@64.05,29.2 ; AB20-D12.B29@71.05,27.4 v3(72.25,27.4)
  1_Top w0.2: AB20-C391.2@62.25,29.2 v3(62.85,29.2) ; v3(62.85,26.5) 62.75,26.5 AB20-D12.A8@63.45,26.5 ; v3(62.85,30.7) 62.75,30.7 AB20-D12.A1@63.45,30.7 ; AB20-D12.A46@67.55,31.2 v3(67.55,31.8) ; AB20-D12.A31@71.65,25.9 72.25,25.9 72.45,25.7 v3(72.45,25.5) ; AB20-D12.A36@71.65,28.9 72.15,28.9 72.25,28.8 v3(72.35,28.8) ; AB20-D12.A38@71.65,30.1 72.25,30.1 v3(72.35,30.2)
  1_Top w0.25: AB20-C395.2@62.25,30.7 v3@62.75,30.7
  16_Bottom w0.25: AB20-C385.2@67.55,31.1 v3(67.55,31.8) ; AB20-C388.2@71.65,29.6 71.85,29.6 v3@72.35,30.1 ; AB20-C397.2@71.75,25.5 v3(72.45,25.5)
  other v3: 59.35,35.9 59.95,35.9 60.65,35.9 61.35,35.9
2ENET_RX_N: AB8-D6.AH34 AB20-C393.1 | length 1.3
  1_Top w0.1: AB8-D6.AH34@96.194,68.939 v6(96.65,68.483)
  16_Bottom w0.1: AB20-C393.1@96.325,67.925 96.65,68.25 v6(96.65,68.483)
2ENET_RX_P: AB8-D6.AH35 AB20-C390.1 | length 1.5
  1_Top w0.1: AB8-D6.AH35@97.194,68.939 v6(97.708,68.425)
  16_Bottom w0.1: AB20-C390.1@97.15,67.9 97.675,68.425 v6(97.708,68.425)
2ENET_RXC_N: AB20-C393.2 AB20-D12.A41 | length 56.4
  1_Top w0.1: AB20-D12.A41@70.55,31.2 70.55,31.45 70.36,31.64 70.36,32.31 v1(70.6,32.55)
  12_int11_(sign) w0.09: v1(70.6,32.55) 70.29,32.24 69.796,32.24 69.176,32.86 67.941,32.86 67.1,33.701 67.1,35.132 85.3,53.332 85.3,57.34 86.06,58.1 86.06,61.96 87.06,62.96 87.06,64.587 87.473,65 93.1,65 94.09,65.99 94.946,65.99 95.075,66.119 95.075,66.225 94.955,66.345 94.79,66.345 94.76,66.375 v6(94.675,66.375)
  16_Bottom w0.1: v6(94.675,66.375) 95.169,66.375 95.534,66.74 95.816,66.74 95.936,66.62 96.35,66.62 96.469,66.739 96.469,66.781 AB20-C393.2@96.325,66.925